# KiCad board Marble.kicad_pcb (continued)
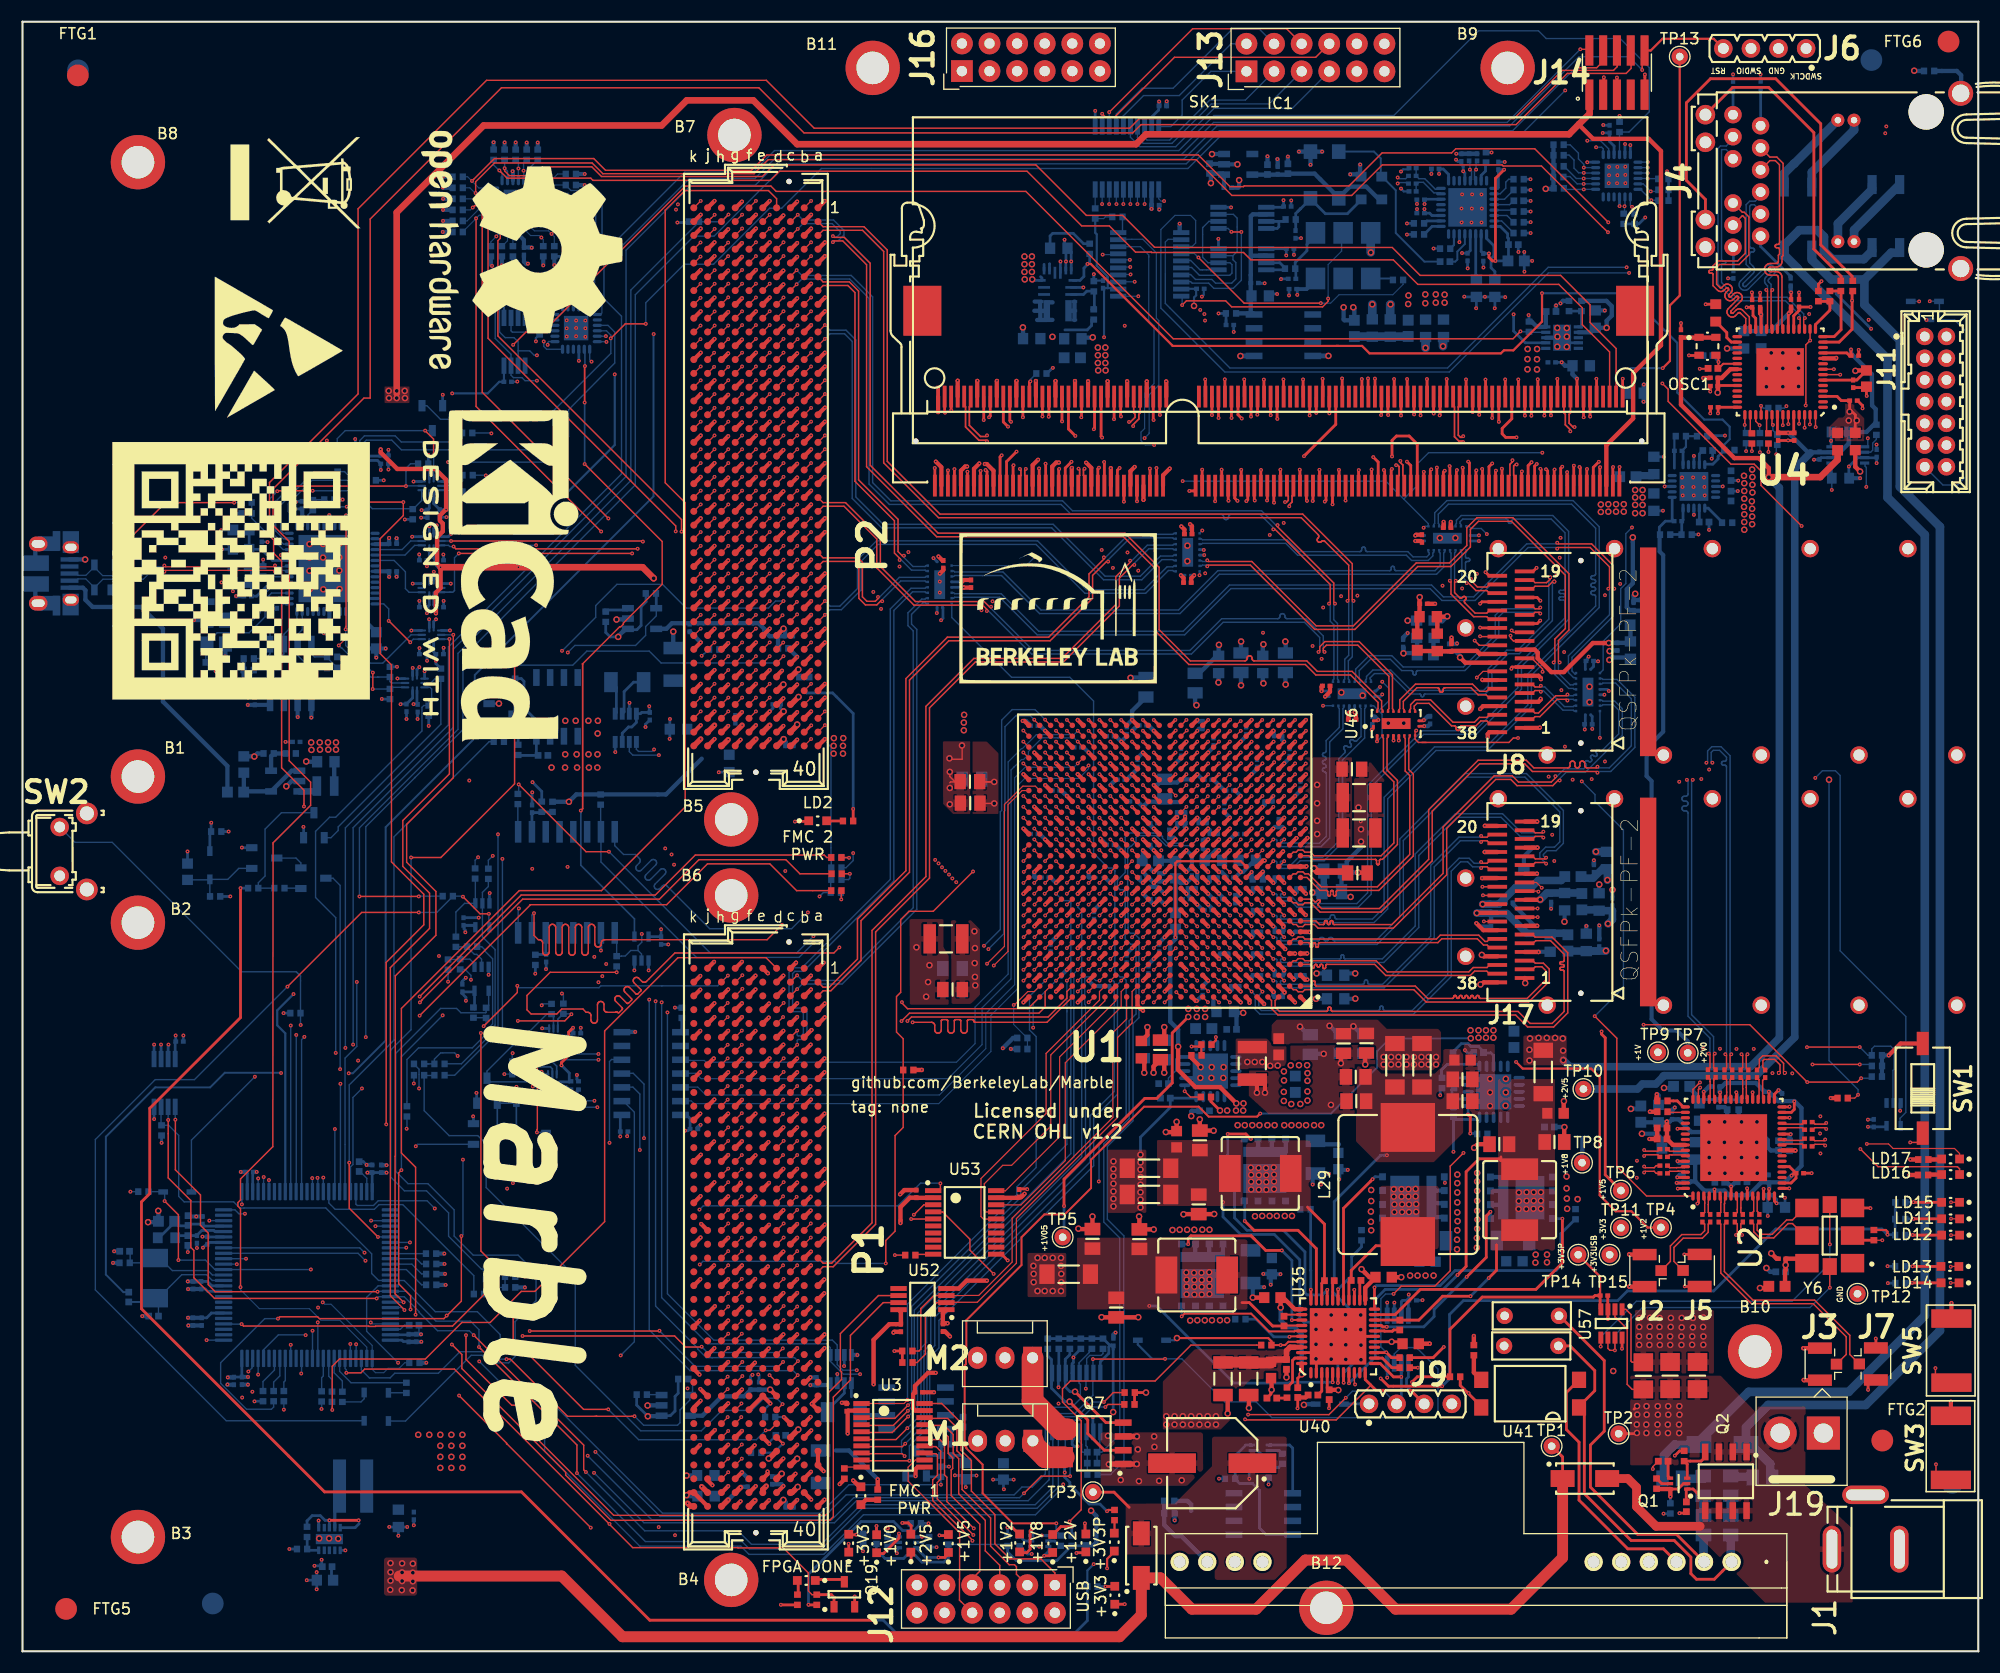
[diagram p0: board, top side]
## Routing (per net, layer and track width the routed paths; a pad name or vN(x,y) marks a point on that pad's centre or on a via; arc(x,y) is an arc through that point) (continued)
/FPGA/QSFP1_RX_3_P: length 47.7
  Top w0.13: v1(140.23,72.5) 140.12,72.61 139.23,72.61 138.99,72.37 138.27,72.37 ; U1.G4 v1(115.12,65.73)
  Bottom w0.13: 115.12,65.73 115.38,65.73 115.45,65.65 115.45,65.37 115.76,65.07 124.67,65.07 127.09,67.49 127.09,74.63 132.92,80.47 138.28,80.47 141.48,77.26 141.48,74.51 141,74.03 140.18,74.03 139.65,73.49 139.65,73.08 v1(140.23,72.5)
/FPGA/QSFP1_RX_4_N: length 36.8
  Top w0.127: U1.B5 114.12,60.73 v1(114.12,60.72)
  Top w0.13: 135.76,72.77 135.03,72.77 134.8,72.54 134.35,72.54 v1(134.24,72.65)
  Bottom w0.13: v1(114.12,60.72) 113.78,60.38 113.78,59.21 114.01,58.98 124.77,58.98 124.81,58.99 124.84,59 124.87,59.01 124.89,59.04 124.91,59.07 124.92,59.1 124.92,59.13 124.92,59.24 124.93,59.27 124.94,59.3 124.96,59.33 124.98,59.35 125.01,59.37 125.04,59.38 125.07,59.39 125.11,59.38 125.14,59.37 125.17,59.35 125.19,59.33 125.21,59.3 125.22,59.27 125.22,59.24 125.22,59.13 125.23,59.1 125.24,59.07 125.26,59.04 125.28,59.01 125.31,59 125.34,58.99 125.37,58.98 127.9,58.98 131.16,62.25 131.16,71.95 132.22,73 133.14,73 133.6,72.54 134.13,72.54 v1(134.24,72.65)
/FPGA/QSFP1_RX_4_P: length 36.8
  Top w0.127: U1.B6 v1(113.12,60.73)
  Top w0.13: v1(134.24,72.1) 134.35,72.21 134.8,72.21 135.03,71.97 135.76,71.97
  Bottom w0.13: v1(113.12,60.73) 113.45,60.4 113.45,59.07 113.88,58.65 128.04,58.65 131.5,62.11 131.5,71.81 132.35,72.67 133,72.67 133.46,72.21 134.13,72.21 v1(134.24,72.1)
/FPGA/QSFP1_TX_1_N: length 20.1
  Top w0.13: U1.D1 118.51,63.23 118.54,63.23 118.56,63.22 118.59,63.2 118.61,63.18 118.62,63.16 118.63,63.13 118.64,63.1 118.64,63.02 118.64,62.99 118.65,62.96 118.67,62.93 118.69,62.91 118.71,62.9 118.74,62.89 118.77,62.89 118.8,62.89 118.82,62.9 118.85,62.91 118.87,62.93 118.88,62.96 118.89,62.99 118.9,63.02 118.9,63.1 118.9,63.13 118.91,63.16 118.93,63.18 118.95,63.2 118.97,63.22 119,63.23 119.03,63.23 119.05,63.23 119.08,63.22 119.1,63.2 119.12,63.18 119.14,63.16 119.15,63.14 119.15,63.08 119.16,63.05 119.18,63.03 119.2,63.01 119.22,63 119.24,62.99 119.27,62.99 119.29,62.99 119.31,62.99 119.34,63 119.36,63.01 119.38,63.03 119.4,63.05 119.41,63.08 119.41,63.14 119.42,63.16 119.44,63.18 119.46,63.2 119.48,63.22 119.5,63.23 119.53,63.23 119.55,63.23 119.58,63.23 119.6,63.22 119.63,63.2 119.65,63.18 119.66,63.16 119.67,63.13 119.68,63.1 119.68,62.97 119.68,62.94 119.69,62.91 119.71,62.88 119.73,62.86 119.75,62.85 119.78,62.84 119.81,62.84 119.84,62.84 119.86,62.85 119.89,62.86 119.91,62.88 119.92,62.91 119.93,62.94 119.94,62.97 119.94,63.1 119.94,63.13 119.95,63.16 119.97,63.18 119.99,63.2 120.01,63.22 120.04,63.23 120.07,63.23 124.45,63.23 125.47,62.21 133.25,62.21 133.65,62.61 134.76,62.61 135,62.37 135.76,62.37
/FPGA/QSFP1_TX_1_P: length 20.1
  Top w0.13: 135.76,63.17 135.02,63.17 134.79,62.94 133.51,62.94 133.11,62.54 125.61,62.54 124.58,63.56 118.02,63.56 117.83,63.76 117.41,63.76 117.21,63.56 116.95,63.56 U1.D2
/FPGA/QSFP1_TX_2_N: length 29.1
  Top w0.13: U1.B1 118.58,61.23 118.61,61.23 118.63,61.24 118.66,61.26 118.68,61.28 118.69,61.3 118.7,61.33 118.71,61.36 118.71,61.59 118.71,61.62 118.72,61.65 118.74,61.67 118.76,61.69 118.78,61.71 118.81,61.72 118.84,61.72 118.87,61.72 118.89,61.71 118.92,61.69 118.94,61.67 118.95,61.65 118.96,61.62 118.97,61.59 118.97,61.36 118.97,61.33 118.98,61.3 119,61.28 119.02,61.26 119.04,61.24 119.07,61.23 119.1,61.23 128.18,61.23 129.32,60.1 131.59,60.1 131.62,60.1 131.64,60.11 131.67,60.12 131.69,60.14 131.7,60.17 131.71,60.2 131.72,60.23 131.72,60.24 131.72,60.27 131.73,60.3 131.74,60.32 131.77,60.34 131.79,60.36 131.82,60.37 131.85,60.37 131.88,60.37 131.9,60.36 131.93,60.34 131.95,60.32 131.96,60.3 131.97,60.27 131.98,60.24 131.98,60.23 131.98,60.2 131.99,60.17 132,60.14 132.03,60.12 132.05,60.11 132.08,60.1 132.11,60.1 132.14,60.1 132.16,60.11 132.19,60.12 132.21,60.14 132.22,60.17 132.23,60.2 132.24,60.23 132.24,60.24 132.24,60.27 132.25,60.3 132.26,60.32 132.29,60.34 132.31,60.36 132.34,60.37 132.37,60.37 132.4,60.37 132.42,60.36 132.45,60.34 132.47,60.32 132.48,60.3 132.49,60.27 132.5,60.24 132.5,60.23 132.5,60.2 132.51,60.17 132.52,60.14 132.55,60.12 132.57,60.11 132.6,60.1 132.63,60.1 132.66,60.1 132.68,60.11 132.71,60.12 132.73,60.14 132.74,60.17 132.75,60.2 132.76,60.23 132.76,60.24 132.76,60.27 132.77,60.3 132.78,60.32 132.81,60.34 132.83,60.36 132.86,60.37 132.89,60.37 132.92,60.37 132.94,60.36 132.97,60.34 132.99,60.32 133,60.3 133.01,60.27 133.02,60.24 133.02,60.23 133.02,60.2 133.03,60.17 133.04,60.14 133.07,60.12 133.09,60.11 133.12,60.1 133.15,60.1 133.18,60.1 133.2,60.11 133.23,60.12 133.25,60.14 133.26,60.17 133.27,60.2 133.28,60.23 133.28,60.24 133.28,60.27 133.29,60.3 133.3,60.32 133.33,60.34 133.35,60.36 133.38,60.37 133.41,60.37 133.44,60.37 133.46,60.36 133.49,60.34 133.51,60.32 133.52,60.3 133.53,60.27 133.54,60.24 133.54,60.23 133.54,60.2 133.55,60.17 133.56,60.14 133.59,60.12 133.61,60.11 133.64,60.1 133.67,60.1 133.7,60.1 133.72,60.11 133.75,60.12 133.77,60.14 133.78,60.17 133.79,60.2 133.8,60.23 133.8,60.24 133.8,60.27 133.81,60.3 133.82,60.32 133.85,60.34 133.87,60.36 133.9,60.37 133.93,60.37 133.96,60.37 133.98,60.36 134.01,60.34 134.03,60.32 134.04,60.3 134.05,60.27 134.06,60.24 134.06,60.23 134.06,60.2 134.07,60.17 134.08,60.14 134.11,60.12 134.13,60.11 134.16,60.1 134.19,60.1 138.48,60.1 140.18,61.8 140.18,62.66 139.84,63.01 139.23,63.01 138.99,62.77 138.27,62.77
/FPGA/QSFP1_TX_2_P: length 29.1
  Top w0.13: U1.B2 116.95,60.9 117.22,60.9 117.41,60.71 117.83,60.71 118.02,60.9 128.05,60.9 129.18,59.77 138.62,59.77 140.52,61.66 140.52,62.8 139.97,63.34 139.23,63.34 138.99,63.57 138.27,63.57
/FPGA/QSFP1_TX_3_N: length 19.9
  Top w0.13: 135.76,64.77 135.03,64.77 134.8,65.01 134.47,65.01 133.89,65.59 130.62,65.59 130.27,65.23 119.4,65.23 119.37,65.23 119.34,65.22 119.32,65.2 119.3,65.18 119.28,65.16 119.27,65.13 119.27,65.1 119.27,64.92 119.27,64.89 119.26,64.87 119.24,64.84 119.22,64.82 119.2,64.81 119.17,64.8 119.14,64.79 119.11,64.8 119.08,64.81 119.06,64.82 119.04,64.84 119.02,64.87 119.01,64.89 119.01,64.92 119.01,65.1 119.01,65.13 119,65.16 118.98,65.18 118.96,65.2 118.94,65.22 118.91,65.23 118.88,65.23 118.85,65.23 118.82,65.22 118.8,65.2 118.78,65.18 118.76,65.16 118.75,65.13 118.75,65.1 118.75,64.92 118.75,64.89 118.74,64.87 118.72,64.84 118.7,64.82 118.68,64.81 118.65,64.8 118.62,64.79 118.59,64.8 118.56,64.81 118.54,64.82 118.52,64.84 118.5,64.87 118.49,64.89 118.49,64.92 118.49,65.1 118.49,65.13 118.48,65.16 118.46,65.18 118.44,65.2 118.42,65.22 118.39,65.23 118.36,65.23 U1.F1
/FPGA/QSFP1_TX_3_P: length 19.9
  Top w0.13: U1.F2 116.95,65.56 117.22,65.56 117.41,65.75 117.84,65.75 118.03,65.56 130.13,65.56 130.48,65.92 134.03,65.92 134.6,65.34 134.8,65.34 135.03,65.57 135.76,65.57
/FPGA/QSFP1_TX_4_N: length 39.9
  Top w0.13: U1.A3 115.28,59.9 115.28,59.3 115.69,58.9 119.98,58.9 120.02,58.9 120.05,58.91 120.08,58.93 120.1,58.95 120.12,58.98 120.13,59.01 120.13,59.05 120.13,59.15 120.14,59.18 120.15,59.21 120.17,59.24 120.19,59.26 120.22,59.28 120.25,59.29 120.28,59.3 120.32,59.29 120.35,59.28 120.38,59.26 120.4,59.24 120.42,59.21 120.43,59.18 120.43,59.15 120.43,59.05 120.44,59.01 120.45,58.98 120.47,58.95 120.49,58.93 120.52,58.91 120.55,58.9 120.58,58.9 137.65,58.9 138.75,57.8 140.78,57.8 141.89,58.9 141.89,62.57 141.88,62.6 141.87,62.62 141.86,62.65 141.84,62.67 141.81,62.69 141.78,62.69 141.75,62.7 141.63,62.7 141.6,62.7 141.57,62.71 141.55,62.73 141.53,62.75 141.51,62.77 141.5,62.8 141.5,62.83 141.5,62.86 141.51,62.88 141.53,62.91 141.55,62.93 141.57,62.95 141.6,62.95 141.63,62.96 141.75,62.96 141.78,62.96 141.81,62.97 141.84,62.99 141.86,63.01 141.87,63.03 141.88,63.06 141.89,63.09 141.88,63.12 141.87,63.14 141.86,63.17 141.84,63.19 141.81,63.21 141.78,63.21 141.75,63.22 141.63,63.22 141.6,63.22 141.57,63.23 141.55,63.25 141.53,63.27 141.51,63.29 141.5,63.32 141.5,63.35 141.5,63.38 141.51,63.4 141.53,63.43 141.55,63.45 141.57,63.47 141.6,63.47 141.63,63.48 141.75,63.48 141.78,63.48 141.81,63.49 141.84,63.51 141.86,63.53 141.87,63.55 141.88,63.58 141.89,63.61 141.89,64.16 140.64,65.41 139.27,65.41 139.03,65.17 138.27,65.17
/FPGA/QSFP1_TX_4_P: length 39.9
  Top w0.13: 138.27,65.97 138.98,65.97 139.21,65.74 140.77,65.74 142.22,64.3 142.22,58.76 140.92,57.47 138.52,57.47 137.42,58.57 115.55,58.57 114.95,59.16 114.95,59.9 U1.A4
/FPGA/QSFP2_INT: length 52.5
  Top w0.127: 134.08,92.6 134.05,92.63 ; 134.08,92.6 J8.28 ; 134.08,92.6 v1(133.65,93.03)
  In7.Cu w0.127: v1(143.68,135.07) 143.35,134.75 143.35,134.2 143.81,133.75 143.81,115.97 143.34,115.5 143.34,111.84 141.35,109.84 141.35,108.19 137.61,104.46 137.61,100.14 134.87,97.4 134.87,93.65 134.25,93.03 v1(133.65,93.03)
  Bottom w0.127: U34.14 143.68,135.07 v1(143.68,135.07) 143.09,135.07 142.41,135.75 141.84,135.75
/FPGA/QSFP2_LPMODE: length 54.9
  Top w0.102: J8.31 134.42,90.2 v1(133.85,89.63)
  In7.Cu w0.127: v1(133.85,89.63) 138.25,94.03 138.25,103.91 142.5,108.17 142.5,108.91 142.44,108.97 142.44,110.12 144.65,112.33 144.65,116.14 144.37,116.42 144.37,133.89 v1(143.7,134.56)
  Bottom w0.127: U34.13 143.7,134.57 v1(143.7,134.56) 141.89,134.56 141.84,134.62
/FPGA/QSFP2_MOD_PRS: length 51.5
  Top w0.127: v1(134.15,93.43) 134.18,93.4 J8.27
  In7.Cu w0.127: 143.34,135.23 v1(143.68,135.57) ; v1(134.15,93.43) 134.49,93.77 134.49,97.53 137.13,100.17 137.13,104.77 140.67,108.3 140.67,112.52 142.06,113.91 142.06,116.64 143.34,117.92 143.34,133.71 142.95,134.1 142.95,134.84 143.39,135.29
  Bottom w0.127: 141.84,136.75 141.84,136.73 143,135.57 v1(143.68,135.57) 143.69,135.57 U34.15
/FPGA/QSFP2_MOD_SEL: length 58.8
  Top w0.254: v1(137.03,90.44) 137.03,90.54 137.09,90.6 J8.8
  In7.Cu w0.127: v1(137.03,90.44) 137.65,89.82 140.06,89.82 140.24,90 140.24,93.22 142.15,95.13 142.15,106.1 144.34,108.29 144.34,110.5 145.62,111.78 145.62,117.62 145.23,118 145.23,135.03 v1(143.7,136.57)
  Bottom w0.127: U34.17 v1(143.7,136.57) 143.7,136.88 143.2,137.38 143.2,137.9 142.44,138.67 141.84,138.67
/FPGA/QSFP2_RST: length 56
  Top w0.127: v1(139.9,90.16) 139.9,90.41 138.91,91.4 J8.9
  In7.Cu w0.127: v1(139.9,90.16) 138.91,91.15 138.91,103.8 143.65,108.54 143.65,110.6 145.19,112.14 145.19,117.48 144.93,117.74 144.93,134.86 144.18,135.62 144.17,135.62 v1(143.7,136.09)
  Bottom w0.127: 141.84,137.73 142.34,137.73 142.79,137.27 142.79,136.52 143.23,136.09 v1(143.7,136.09) 143.71,136.07 U34.16
/FPGA/QSFP2_RX_1_N: length 28.6
  Top w0.13: v1(140.6,98.85) 140.6,98.7 140.26,98.37 139.21,98.37 138.97,98.6 J8.18
  Bottom w0.13: U48.18 123.61,89.41 123.69,89.5 123.69,89.73 124.29,90.33 125.92,90.33 127.8,88.45 134.47,88.45 134.91,88.88 134.91,90.46 136.61,92.15 137.62,92.15 140.47,95.01 140.47,98.49 140.6,98.61 v1(140.6,98.85)
/FPGA/QSFP2_RX_1_P: length 28.9
  Top w0.13: J8.17 138.97,97.8 139.21,98.04 140.4,98.04 140.83,98.47 v1(140.98,98.47)
  Bottom w0.13: v1(140.98,98.47) 140.83,98.47 140.8,98.44 140.8,94.87 137.76,91.82 136.74,91.82 135.24,90.32 135.24,88.75 134.61,88.12 129.09,88.12 129.07,88.11 129.04,88.1 129.02,88.09 129,88.07 128.98,88.05 128.97,88.02 128.97,87.96 128.96,87.94 128.94,87.91 128.92,87.89 128.9,87.88 128.87,87.87 128.84,87.87 128.83,87.87 128.81,87.87 128.78,87.88 128.76,87.89 128.74,87.91 128.72,87.94 128.71,87.96 128.71,88.02 128.7,88.05 128.68,88.07 128.66,88.09 128.64,88.1 128.61,88.11 128.58,88.12 127.67,88.12 125.79,90 124.42,90 124.03,89.6 124.03,89.5 124.11,89.41 U48.19
/FPGA/QSFP2_RX_2_N: length 6.4
  Top w0.13: J8.21 135.01,98.2 134.78,97.97 133.9,97.97 133.31,98.56 v1(133.31,98.71)
  Bottom w0.13: U50.12 132.89,101.18 132.8,101.1 132.8,100.77 132.81,100.73 132.82,100.7 132.84,100.67 132.86,100.65 132.89,100.63 132.92,100.62 132.95,100.62 133.06,100.62 133.09,100.61 133.12,100.6 133.15,100.58 133.17,100.56 133.19,100.53 133.2,100.5 133.21,100.47 133.2,100.43 133.19,100.4 133.17,100.37 133.15,100.35 133.12,100.33 133.09,100.32 133.06,100.32 132.95,100.32 132.92,100.31 132.89,100.3 132.86,100.28 132.84,100.26 132.82,100.23 132.81,100.2 132.8,100.17 132.8,99.07 133.16,98.71 v1(133.31,98.71)
/FPGA/QSFP2_RX_2_P: length 6.4
  Top w0.13: J8.22 135.01,97.4 134.78,97.64 133.77,97.64 133.08,98.32 v1(132.92,98.32)
  Bottom w0.13: v1(132.92,98.32) 132.92,98.48 132.47,98.93 132.47,101.1 132.39,101.18 U50.13
/FPGA/QSFP2_RX_3_N: length 24.1
  Top w0.13: J8.15 138.97,96.2 139.21,95.97 139.58,95.97 v1(139.69,96.08)
  Bottom w0.13: v1(139.69,96.08) 139.58,95.97 136.15,95.97 135.54,95.36 135.54,93.53 132.62,90.6 127.07,90.6 126.02,91.65 123.93,91.65 122.69,90.41 122.69,89.5 122.61,89.41 U48.16
/FPGA/QSFP2_RX_3_P: length 24.1
  Top w0.13: J8.14 138.97,95.4 139.21,95.64 139.58,95.64 v1(139.69,95.53)
  Bottom w0.13: U48.17 123.11,89.41 123.03,89.5 123.03,90.27 124.07,91.32 125.89,91.32 126.93,90.27 127.82,90.27 127.86,90.27 127.89,90.26 127.92,90.24 127.94,90.22 127.96,90.19 127.97,90.16 127.97,90.12 127.97,90.02 127.98,89.99 127.99,89.96 128.01,89.93 128.03,89.9 128.06,89.89 128.09,89.88 128.12,89.87 128.16,89.88 128.19,89.89 128.22,89.9 128.24,89.93 128.26,89.96 128.27,89.99 128.27,90.02 128.27,90.12 128.28,90.16 128.29,90.19 128.31,90.22 128.33,90.24 128.36,90.26 128.39,90.27 128.42,90.27 132.76,90.27 135.87,93.39 135.87,95.22 136.29,95.64 139.58,95.64 v1(139.69,95.53)
/FPGA/QSFP2_RX_4_N: length 9.4
  Top w0.13: J8.24 135.01,95.8 134.78,95.57 133.69,95.57 132.75,96.5 132.73,96.53 132.71,96.57 132.7,96.6 132.7,96.64 132.71,96.68 132.73,96.72 132.75,96.75 132.81,96.8 132.83,96.83 132.85,96.87 132.86,96.9 132.86,96.94 132.85,96.98 132.83,97.02 132.81,97.05 132.77,97.07 132.74,97.09 132.7,97.1 132.66,97.1 132.62,97.09 132.59,97.07 132.56,97.05 132.5,97 132.47,96.97 132.44,96.95 132.4,96.95 132.36,96.95 132.32,96.95 132.29,96.97 132.26,97 131.8,97.45 131.8,98.43 v1(131.91,98.54)
  Bottom w0.13: U50.14 131.89,101.18 131.8,101.1 131.8,98.65 v1(131.91,98.54)
/FPGA/QSFP2_RX_4_P: length 9.4
  Top w0.13: v1(131.36,98.54) 131.47,98.43 131.47,97.31 133.55,95.24 134.78,95.24 135.01,95 J8.25
  Bottom w0.13: U50.15 131.39,101.18 131.47,101.1 131.47,98.65 v1(131.36,98.54)
/FPGA/QSFP2_TX_1_N: length 10
  Top w0.13: 128.17,86.5 128.17,86.67 128.09,86.76 128.09,87 128.34,87.26 129.45,87.26 131.52,85.19 131.77,85.19 131.81,85.18 131.85,85.17 131.88,85.15 131.91,85.12 131.93,85.09 131.94,85.05 131.94,85.01 131.94,84.94 131.95,84.9 131.96,84.86 131.98,84.83 132.01,84.8 132.04,84.78 132.08,84.76 132.12,84.76 132.16,84.76 132.2,84.78 132.23,84.8 132.26,84.83 132.28,84.86 132.29,84.9 132.29,84.94 132.29,85.01 132.3,85.05 132.31,85.09 132.33,85.12 132.36,85.15 132.39,85.17 132.43,85.18 132.47,85.19 133.77,85.19 134.22,85.64 134.78,85.64 135.01,85.4 J8.37
/FPGA/QSFP2_TX_1_P: length 10
  Top w0.13: 127.67,86.5 127.67,86.67 127.75,86.76 127.75,87.14 128.2,87.59 129.59,87.59 131.66,85.52 133.63,85.52 134.08,85.97 134.78,85.97 135.01,86.2 J8.36
/FPGA/QSFP2_TX_2_N: length 5.6
  Top w0.13: J8.2 138.97,85.8 139.21,86.04 139.66,86.04 141.25,87.63 142.08,87.63 v1(142.19,87.52)
  Bottom w0.13: 142.98,87.54 142.81,87.54 142.73,87.63 142.3,87.63 v1(142.19,87.52)
/FPGA/QSFP2_TX_2_P: length 5.6
  Top w0.13: v1(142.19,88.07) 142.08,87.96 141.11,87.96 139.52,86.37 139.21,86.37 138.97,86.6 J8.3
  Bottom w0.13: v1(142.19,88.07) 142.3,87.96 142.73,87.96 142.81,88.04 142.98,88.04
/FPGA/QSFP2_TX_3_N: length 11.1
  Top w0.13: J8.34 134.95,87.8 134.71,88.04 133.97,88.04 133.31,88.7 130.93,88.7 130.89,88.69 130.85,88.68 130.82,88.66 130.79,88.63 130.77,88.6 130.76,88.56 130.76,88.52 130.76,88.45 130.75,88.41 130.74,88.37 130.72,88.34 130.69,88.31 130.66,88.29 130.62,88.27 130.58,88.27 130.54,88.27 130.5,88.29 130.47,88.31 130.44,88.34 130.42,88.37 130.41,88.41 130.41,88.45 130.41,88.52 130.4,88.56 130.39,88.6 130.37,88.63 130.34,88.66 130.31,88.68 130.27,88.69 130.23,88.7 128.34,88.7 127.09,87.44 127.09,86.76 127.17,86.67 127.17,86.5
/FPGA/QSFP2_TX_3_P: length 11.1
  Top w0.13: J8.33 134.97,88.6 134.74,88.37 134.11,88.37 133.45,89.03 128.2,89.03 126.75,87.58 126.75,86.76 126.67,86.67 126.67,86.5
/FPGA/QSFP2_TX_4_N: length 5.7
  Top w0.13: v1(139.74,88.33) 139.63,88.44 139.21,88.44 138.97,88.2 J8.5
  Bottom w0.13: 142.98,86.54 142.81,86.54 142.73,86.63 141.78,86.63 139.97,88.44 139.85,88.44 v1(139.74,88.33)
/FPGA/QSFP2_TX_4_P: length 5.7
  Top w0.13: v1(139.74,88.88) 139.63,88.77 139.21,88.77 138.97,89 J8.6
  Bottom w0.13: 142.98,87.04 142.81,87.04 142.73,86.96 141.91,86.96 140.1,88.77 139.85,88.77 v1(139.74,88.88)
/FPGA/Self_FPGA_TCK: length 65.7
  Top w0.102: v1(89.39,63.12) 90.7,64.43 90.7,77.93 92,79.23 U1.Y26
  In2.Cu w0.127: v1(53.01,54.98) v1(53.01,61.59)
  In4.Cu w0.127: v1(89.39,63.12) 88.96,62.69 68.83,62.69 68.77,62.75 58.21,62.75 57.04,61.59 v1(53.01,61.59)
  Bottom w0.127: U8.8 49.27,55.52 49.27,55.11 49.4,54.98 v1(53.01,54.98)
/FPGA/Self_FPGA_TDI: length 68.5
  Top w0.102: U1.Y25 93.22,79.63 92.06,79.63 90.37,77.94 90.37,64.89 v1(88.77,63.29)
  In2.Cu w0.127: v1(53.36,62.14) 53.36,54.8 v1(53.01,54.45)
  In4.Cu w0.127: v1(53.36,62.14) 54.24,63.02 82.07,63.02 82.87,63.81 88.24,63.81 v1(88.77,63.29)
  Bottom w0.127: U8.9 48.87,54.91 49.32,54.45 v1(53.01,54.45)
/FPGA/Self_FPGA_TDO: length 79.4
  Top w0.11: U1.AF25 93.12,85.73 v1(93.12,85.75)
  In2.Cu w0.127: v1(52.91,50.08) 53.72,50.89 v1(53.72,63.26)
  In4.Cu w0.127: v1(88.9,64.63) 88.53,64.26 82.63,64.26 82.19,63.82 57.07,63.82 56.86,63.6 54.06,63.6 v1(53.72,63.26)
  Bottom w0.127: v1(88.9,64.63) 90.32,66.06 90.32,77.28 90.42,77.38 90.42,85.11 91.42,86.11 92.76,86.11 v1(93.12,85.75) ; U9.9 48.77,50.61 49.3,50.08 v1(52.91,50.08)
/FPGA/Self_FPGA_TMS: length 80.5
  Top w0.11: v1(94.12,85.75) 94.12,85.73 U1.AF24
  In2.Cu w0.127: v1(52.64,50.67) 52.63,50.68 v1(52.63,63.92)
  In4.Cu w0.127: v1(52.63,63.92) 54.05,63.92 54.33,64.2 80.95,64.2 82.01,65.27 87.91,65.27 88.24,64.94 v1(88.49,64.94)
  Bottom w0.127: v1(52.64,50.67) 49.8,50.67 U9.8 ; v1(94.12,85.75) 93.19,86.68 91.08,86.68 90.12,85.72 90.12,77.4 89.99,77.28 89.99,66.44 v1(88.49,64.94)
/FPGA/SI570_CLK_N: length 7.1
  Top w0.13: C85.2 159.33,39.32 159.33,38.62 159.9,38.05 161.18,38.05 162.5,39.37 162.9,39.37 164,38.27 Y6.5
/FPGA/SI570_CLK_P: length 6.6
  Top w0.13: Y6.4 164,40.81 162.9,39.7 162.36,39.7 161.04,38.38 160.03,38.38 159.66,38.76 159.66,39.32 C97.2
/FPGA/SI570_OE: length 231.4
  Top w0.102: v1(171.17,37.84) 170.4,37.84 R32.2
  Top w0.254: R32.2 168.86,37.84 Y6.2
  In2.Cu w0.102: v1(171.17,37.84) 171.17,39.4 175.32,43.55 175.32,102.31 172.97,104.66 172.97,123.49 168.65,127.8 153.84,127.8 152.71,128.93 152.71,136.05 150.77,137.99 144.12,137.99 143.81,138.29 131.92,138.29 131.63,138 126.85,138 126.49,138.37 96.17,138.37 91.87,134.06 59.6,134.06 52.77,127.23 52.77,125.26 v1(52.94,125.09)
  Bottom w0.102: v1(52.94,125.09) 52.98,125.05 52.98,124.3 53.32,123.96 53.32,123.19 53.21,123.08 52.93,123.08 U39.1
/FPGA/VCXO_EN: length 21.8
  Top w0.127: v1(106.73,123.92) 107.12,124.31 110.73,124.31 111.28,123.75 119.65,123.75 120.16,124.27 v1(120.16,124.51)
  Bottom w0.102: v1(120.16,124.51) 120.16,127.65 121.4,128.89
  Bottom w0.127: Y3.2 121.4,130.43 121.4,128.89 ; 106.63,124.78 106.73,124.68 v1(106.73,123.92)
/FPGA/VREF_DDR3: length 11.8
  Top w0.254: U1.W8 v1(111.12,78.73) ; U1.AE11 v1(108.12,84.73) ; U1.AD3 v1(116.12,83.73) ; U1.W4 v1(115.12,78.73) ; v1(123.83,117.16) 123.84,117.15 123.84,115.53 ; U1.AE16 v1(102.12,84.73) ; v1(83.96,108.92) 83.97,108.91 SK1.1 ; U1.Y18 v1(100.12,79.73)
  Bottom w0.4: v1(102.12,84.73) 102.62,85.23 C15.1 ; v1(100.12,79.73) 100.62,80.23 C16.1 ; v1(116.12,83.73) 115.92,83.93 C14.1 ; C19.1 110.61,78.22 v1(111.12,78.73) ; v1(115.12,78.73) 115.03,78.64 C18.1 ; v1(108.12,84.73) 108.3,84.91 C17.1
  vias: v2(138.52,119.87) v2(138.51,118.94) v2(138.51,118) v2(139.39,119.87) v2(139.39,118.93) v2(139.39,117.99)
/FPGA/WR_DAC1_SYNC: length 12.8
  Top w0.127: v1(111.26,130.66) 111.27,130.65 v1(112.18,130.65)
  Bottom w0.127: U19.5 110.95,130.97 v1(111.26,130.66) ; 106.63,126.08 107.51,126.08 107.65,125.94 109.17,125.94 109.65,125.45 111.43,125.45 112.18,126.2 v1(112.18,130.65)
/FPGA/WR_DAC2_SYNC: length 3.8
  Bottom w0.127: 108.6,127.16 108.37,127.16 107.51,128.03 106.63,128.03 ; 108.6,127.16 108.56,127.16 ; 108.6,127.16 U16.5
/FPGA/WR_DAC_DIN: length 14.6
  Bottom w0.127: 111.4,128.46 U16.7 ; 111.4,128.46 111.79,128.85 111.79,131.92 111.44,132.27 U19.7 ; 111.4,128.46 111.4,128.1 111.67,127.83 111.67,126.32 111.29,125.94 109.8,125.94 109.46,126.28 107.96,126.28 107.51,126.73 106.63,126.73
/FPGA/WR_DAC_SCLK: length 13.3
  Bottom w0.102: 108.61,128.28 108.61,128.31
  Bottom w0.127: U19.6 109.19,131.62 108.61,131.04 108.61,128.31 109.12,127.81 U16.6 111.14,127.81 111.31,127.64 111.31,126.86 111.11,126.66 108.32,126.66 107.6,127.38 106.63,127.38
/FPGA_RTS: length 98.9
  Top w0.102: v1(102.13,71.73) 102.62,71.24 U1.M16
  Top w0.127: v1(56.11,101.06) v1(40.15,101.06)
  In2.Cu w0.127: v1(59.15,73.9) 59.15,81.35 58.91,81.59 58.91,92.74 56.11,95.55 v1(56.11,101.06)
  In9.Cu w0.127: 92.08,69.35 101.28,69.35 101.5,69.56 101.5,71.1 v1(102.13,71.73) ; 92.08,69.35 83.72,69.35 78.2,74.87 75.28,74.87 74.22,73.81 59.5,73.81 59.4,73.9 v1(59.15,73.9) ; 92.08,69.35 91.95,69.35
  Bottom w0.118: U15.5 39.54,97.48
  Bottom w0.127: v1(40.15,101.06) 39.76,100.66 39.76,97.64 ; 39.27,97.48 39.45,97.48 ; 39.45,97.48 U15.5 ; 39.45,97.48 39.6,97.48 39.76,97.64 ; 39.76,97.64 39.75,97.63
/FPGA_RxD: length 94.3
  Top w0.102: U1.K15 v1(103.12,68.73)
  Top w0.127: v1(39.67,101.69) 39.89,101.48 56.6,101.48 v1(56.61,101.49)
  In2.Cu w0.127: v1(59.74,73.35) 59.74,74.11 59.69,74.16 59.69,82.8 59.22,83.27 59.22,93.19 56.61,95.8 v1(56.61,101.49)
  In9.Cu w0.102: v1(103.12,68.73) 103.12,68.73
  In9.Cu w0.127: v1(103.12,68.73) 102.75,69.1 82.22,69.1 77.14,74.18 75.31,74.18 74.47,73.35 v1(59.74,73.35)
  Bottom w0.127: v1(39.67,101.69) 39.32,101.69 39.21,101.8 U38.5
/FPGA_TxD: length 100.5
  Top w0.11: U1.C16 v1(102.12,61.73)
  Top w0.127: v1(57.1,102.15) 57.05,102.2 v1(39.44,102.2)
  In2.Cu w0.127: v1(57.1,102.15) 57.1,96 59.64,93.46 59.64,86.91 60.14,86.4 60.14,72.58 v1(59.97,72.41)
  In9.Cu w0.11: v1(102.12,61.73) 102.48,62.09 102.48,66.9 102.28,67.1 90.66,67.1
  In9.Cu w0.127: v1(59.97,72.41) 66.85,72.41 70.79,68.47 77.57,68.47 78.94,67.1 90.66,67.1
  Bottom w0.127: U38.4 v1(39.44,102.2)
/I2C_DDR3_SCL: length 118.3
  Top w0.127: SK1.202 146.67,119.92 144.27,122.32 144.27,123.94 141.56,126.65 128.63,126.65 126.06,129.22 106.29,129.22 106.27,129.24 104.18,129.24 101.25,132.17 97.91,132.17 93.27,136.82 69.16,136.82 68.09,135.75 53.29,135.75 52.4,136.64 47.88,136.64 47.06,135.83 44.81,135.83 44.37,136.27 v1(44.37,136.52)
  Bottom w0.127: U5.8 44.64,136.25 v1(44.37,136.52) R51.1
/I2C_DDR3_SDA: length 117.1
  Top w0.127: SK1.200 146.07,119.6 143.56,122.11 143.56,123.66 141.4,125.82 128.42,125.82 126.16,128.08 113.05,128.08 112.38,128.76 103.92,128.76 103.88,128.79 102.44,128.79 100.02,131.21 97.48,131.21 92.45,136.24 69.67,136.24 68.83,135.4 52.5,135.4 52.3,135.6 44.6,135.6 v1(43.89,136.31)
  Bottom w0.127: U5.7 44.14,136.04 43.89,136.29 ; R52.1 43.35,136.82 43.89,136.29 ; 43.89,136.29 v1(43.89,136.31)
/I2C_MUX/QSFP1_SCL: length 195.2
  Top w0.102: v1(139.52,69.93) 139.47,69.97 138.27,69.97
  In4.Cu w0.102: v1(60.32,133.19) 57.02,136.49 50.57,136.49 48.54,134.46 47.94,134.46 v1(46.11,136.29)
  In7.Cu w0.102: v1(60.32,133.19) 60.5,133.01 72.59,133.01 75.54,135.96 79.72,135.96 83.2,139.43 149.38,139.43 152.73,136.08 152.73,129.67 157.55,124.84 157.55,110.87 157.26,110.58 157.26,102.9 157.79,102.37 157.79,96.73 155.97,94.87 155.97,84.46 146.89,75.38 145.23,75.38 143.06,73.2 143.06,71.78 141.2,69.93 v1(139.52,69.93)
  Bottom w0.102: v1(46.11,136.29) 46.13,136.27 46.14,136.27 46.14,136.4
  Bottom w0.127: U5.11 46.14,136.26 v1(46.11,136.29) 46.11,137 R53.1
/I2C_MUX/QSFP1_SDA: length 193.7
  Top w0.102: v1(139.82,70.28) 139.33,70.77 138.27,70.77
  In4.Cu w0.102: v1(45.64,136.49) 45.64,136.24 47.87,134.01 48.9,134.01 50.3,135.41 57.44,135.41 v1(60.14,132.71)
  In7.Cu w0.102: v1(60.14,132.71) 73.96,132.71 76.58,135.33 80.01,135.33 83.36,138.67 134.99,138.67 135.69,137.96 150.14,137.96 152.27,135.83 152.27,129.68 155.67,126.28 155.67,120.46 156.47,119.66 156.47,112.36 156.15,112.04 156.15,103.05 157.07,102.14 157.07,96.89 157.08,96.88 155.42,95.24 155.42,84.6 146.76,75.91 144.98,75.91 142.43,73.36 142.43,71.61 141.28,70.46 140,70.46 v1(139.82,70.28)
  Bottom w0.102: v1(45.64,136.49) 45.64,136.49 45.64,136.52
  Bottom w0.127: R54.1 45.64,137.04 v1(45.64,136.49) 45.64,136.49 U5.10
